# Altium PCB RS2-708_V010.PcbDoc (part 1 of 4) (continued)
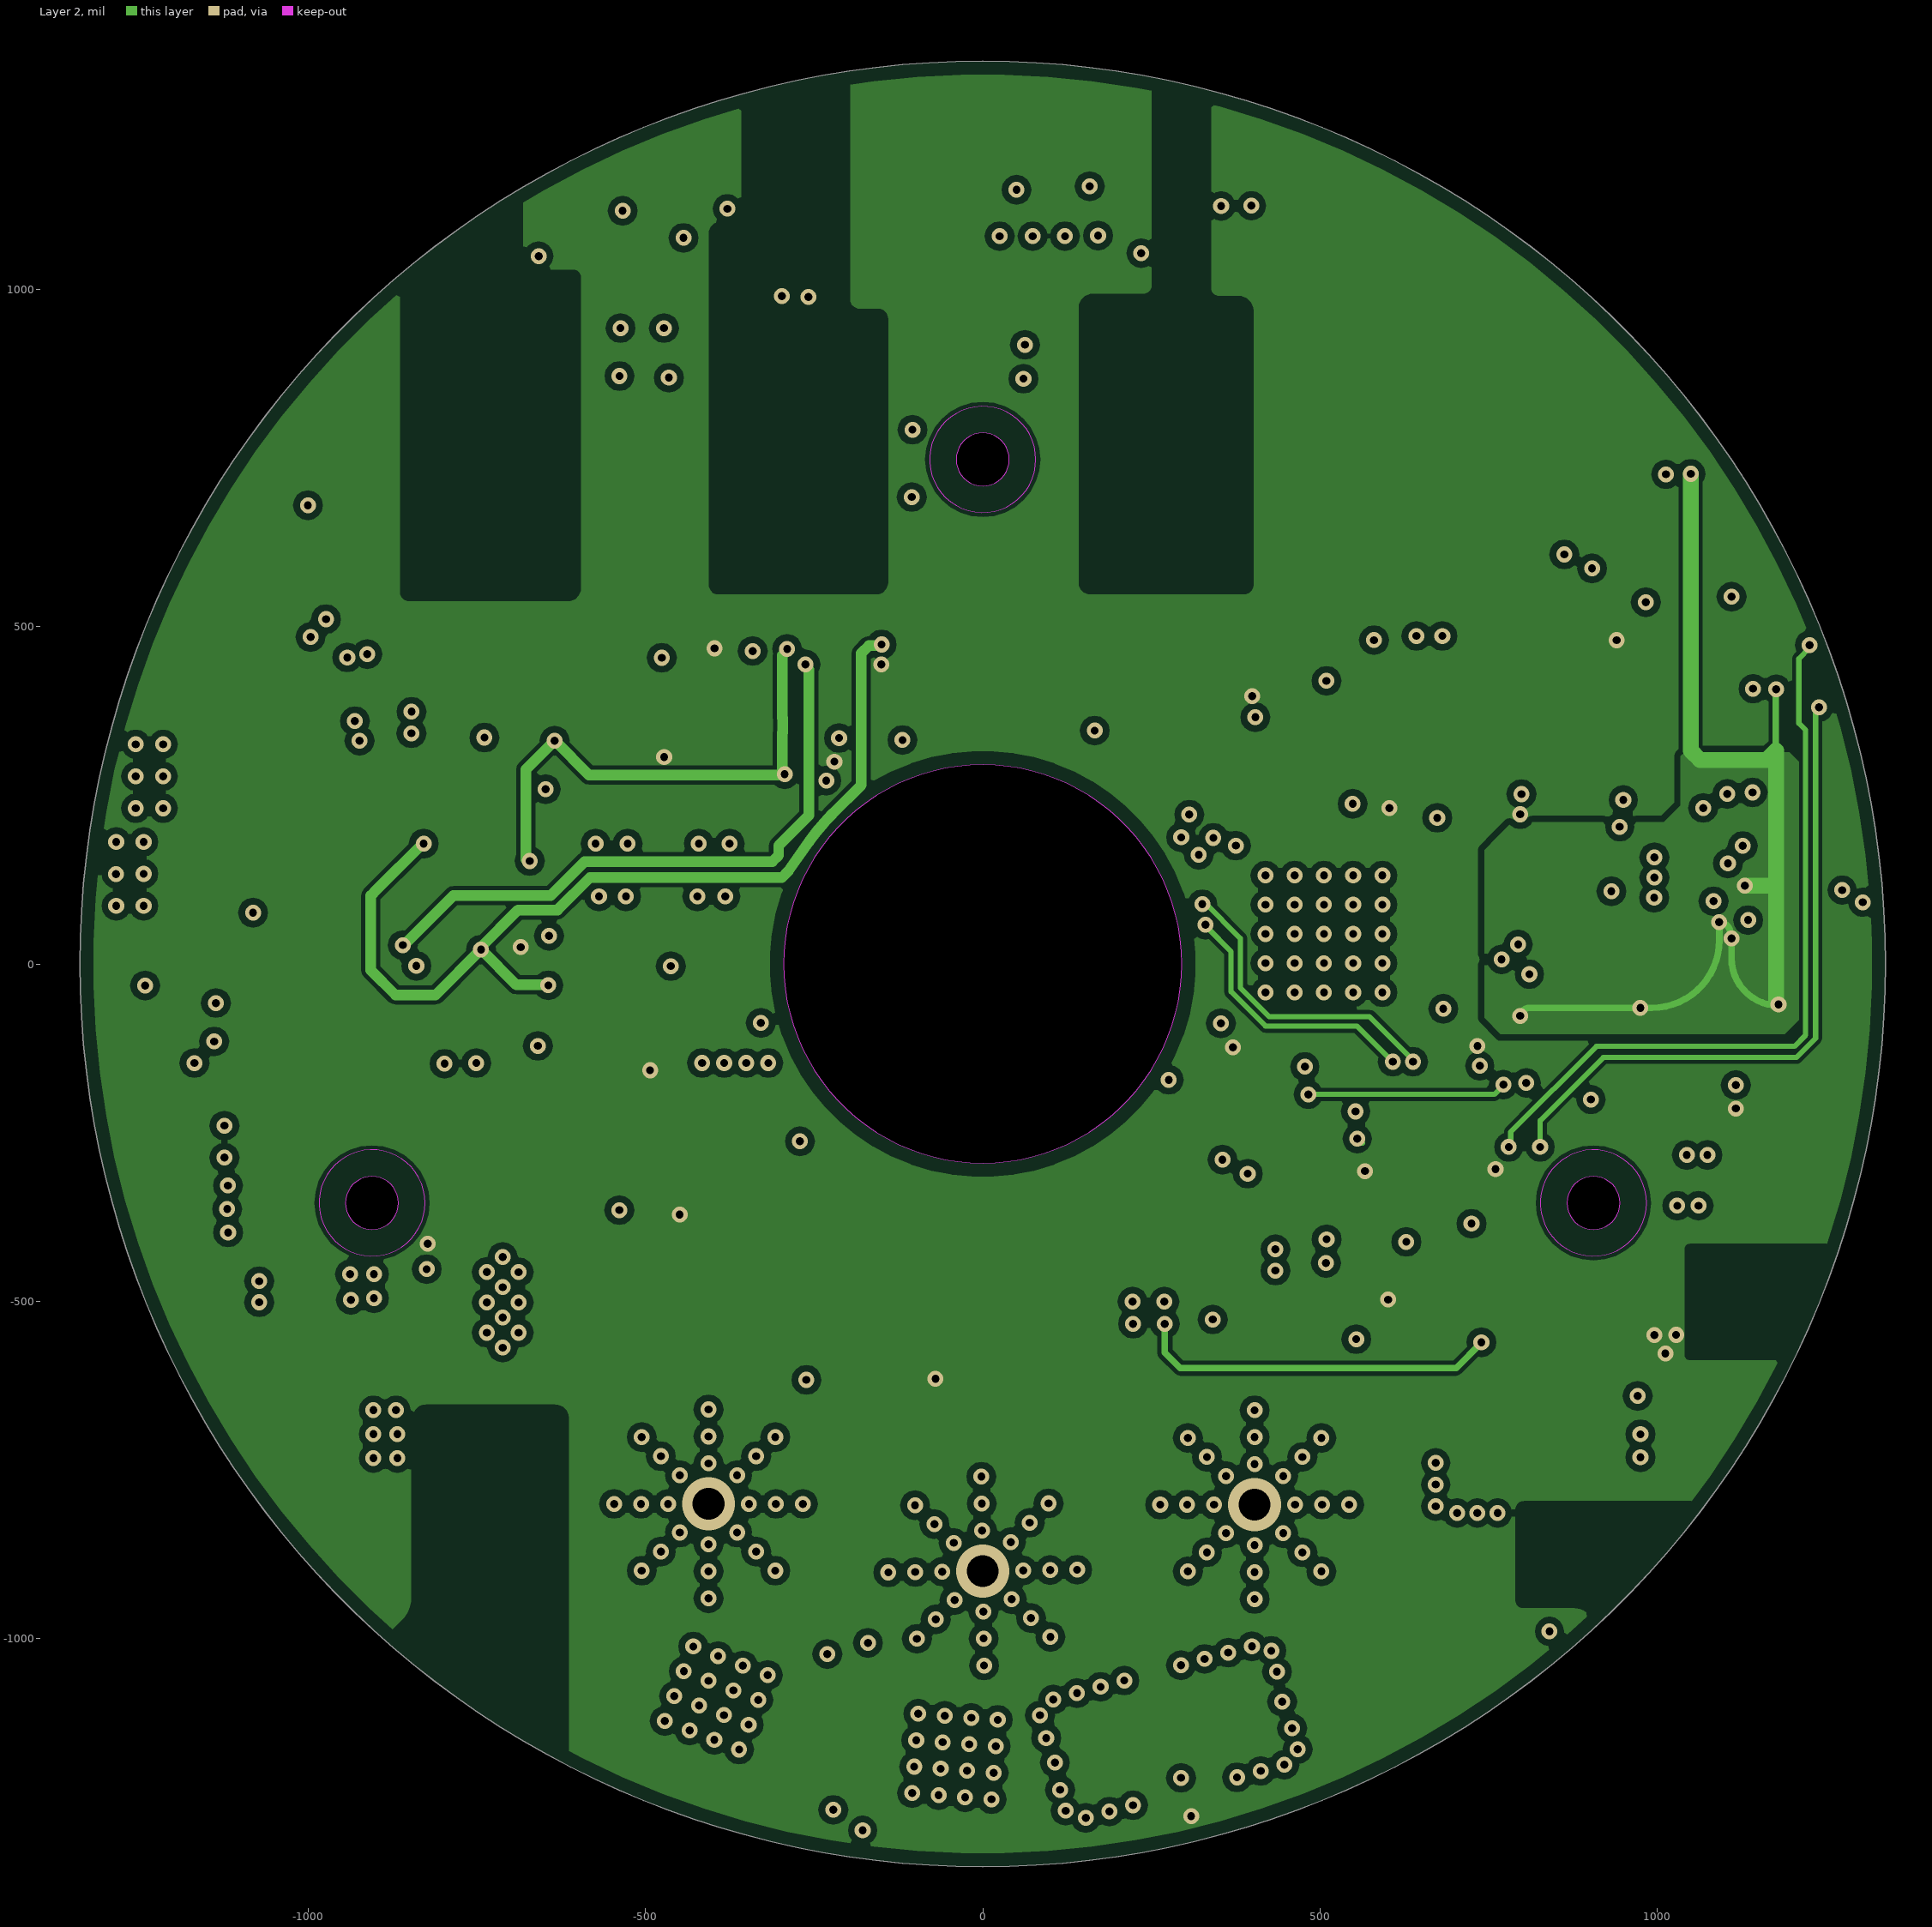
[diagram p3: Layer 2]
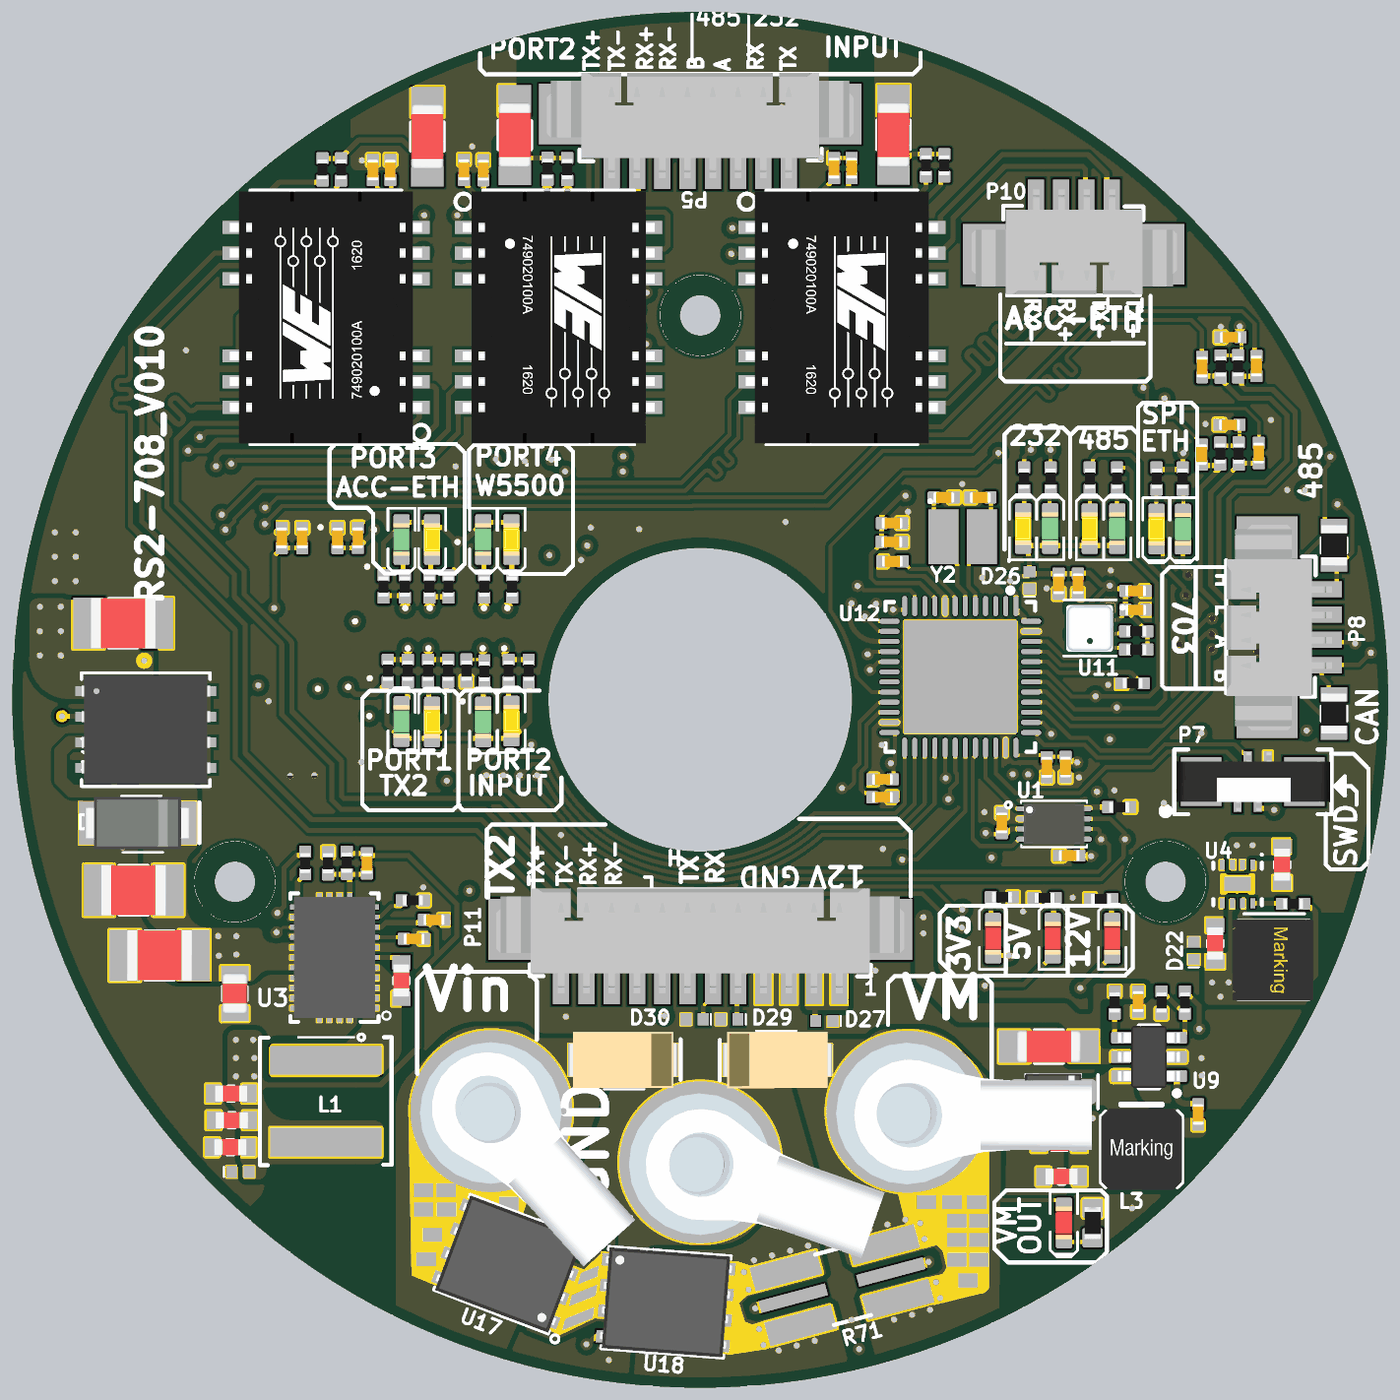
[diagram p7: 3D render of the assembled board from above, using the file's embedded part models]
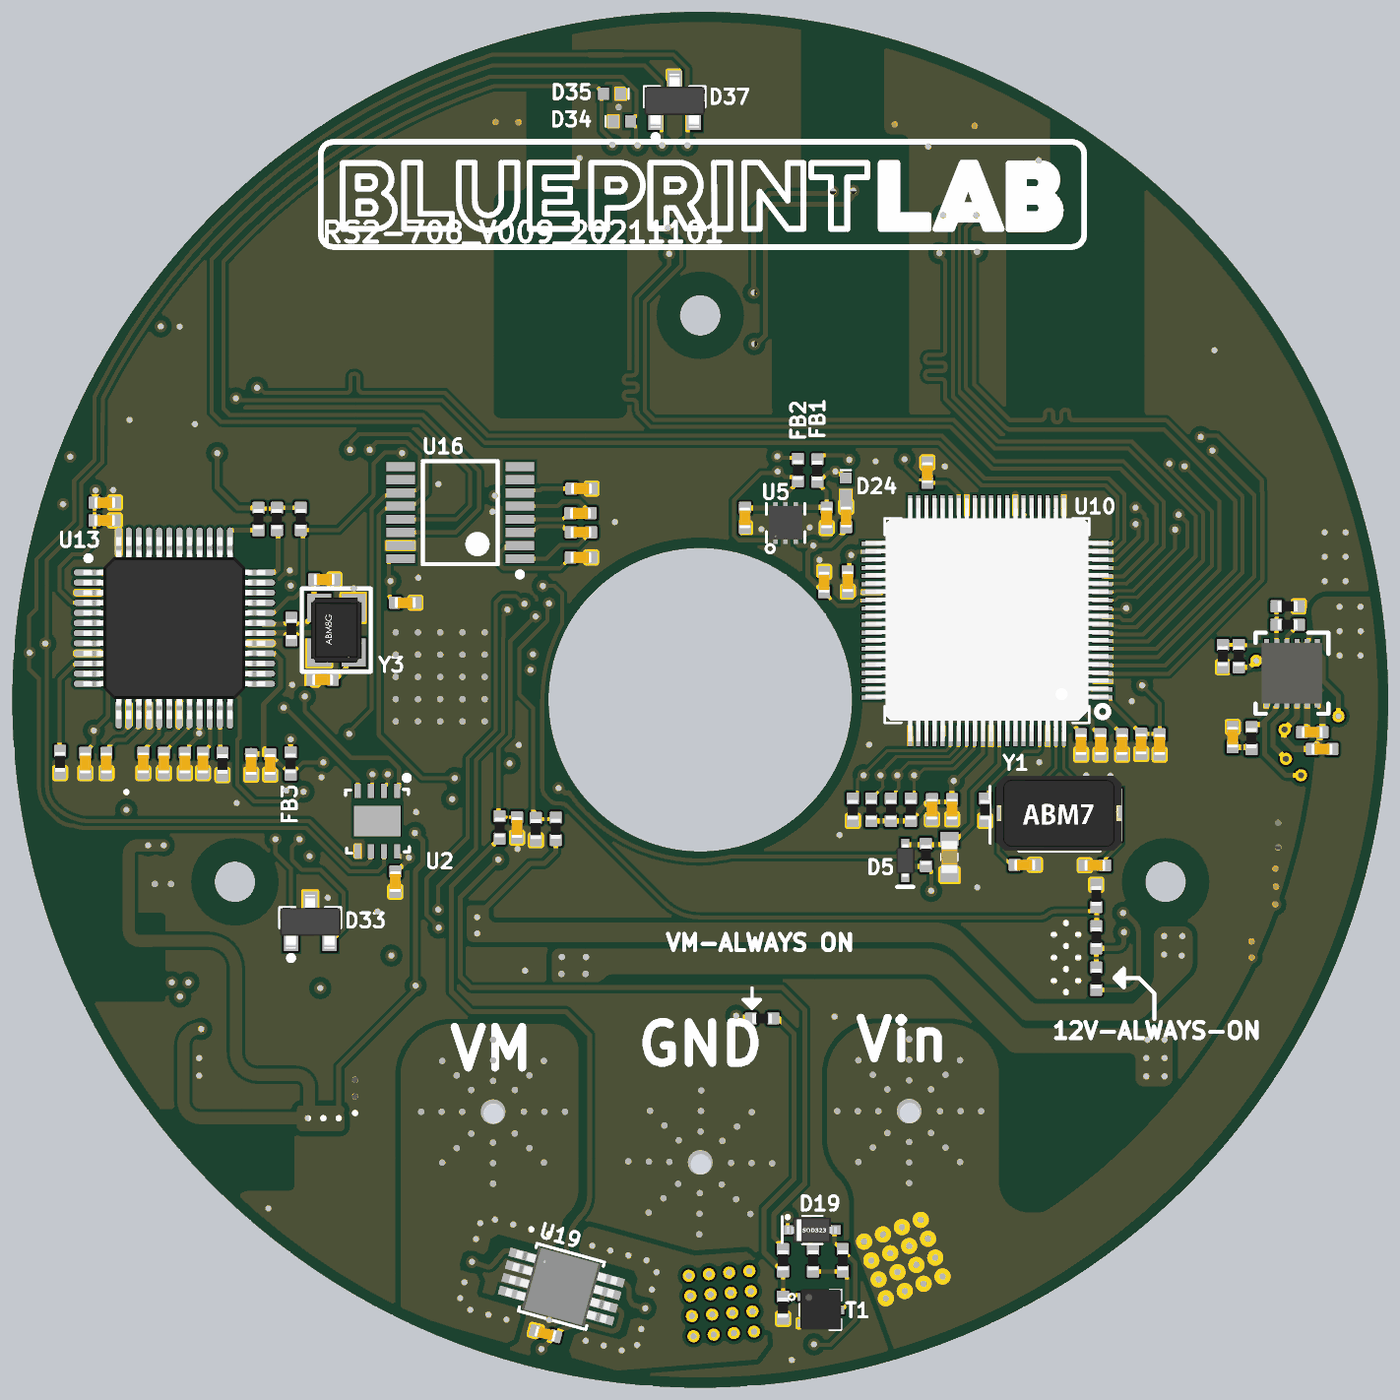
[diagram p8: 3D render of the assembled board from below, using the file's embedded part models]

## Layer stack, top to bottom
Top Solder: solder mask 0.4, Solder Resist, Dk 3.5
Top Layer: signal copper 1.4
Dielectric 2: prepreg 2.8, PP-006, Dk 4.1
Layer 1: signal copper 1.3778
Dielectric 1: dielectric 19.685, FR-4, Dk 4.8
Layer 2: signal copper 1.3778
Dielectric 3: prepreg 2.8, PP-006, Dk 4.1
Bottom Layer: signal copper 1.4
Bottom Solder: solder mask 0.4, Solder Resist, Dk 3.5

## Board outline
-1338.58,0 ccw(c0,0) 0,-1338.58 ccw(c0,0) 1338.58,0 ccw(c0,0) 0,1338.58 ccw(c0,0)
cut-out: -295.28,0 ccw(c0,0) 0,-295.28 ccw(c0,0) 295.28,0 ccw(c0,0) 0,295.28 ccw(c0,0)
cut-out: 866.14,-354.33 ccw(c905.51,-354.33) 905.51,-393.7 ccw(c905.51,-354.33) 944.88,-354.33 ccw(c905.51,-354.33) 905.51,-314.96 ccw(c905.51,-354.33)
cut-out: -944.88,-354.33 ccw(c-905.51,-354.33) -905.51,-393.7 ccw(c-905.51,-354.33) -866.14,-354.33 ccw(c-905.51,-354.33) -905.51,-314.96 ccw(c-905.51,-354.33)
cut-out: -39.37,748.03 ccw(c0,748.03) 0,708.66 ccw(c0,748.03) 39.37,748.03 ccw(c0,748.03) 0,787.4 ccw(c0,748.03)

## Design rules (kind name [scope] priority, off if disabled: settings)
BoardOutlineClearance [All] p1: gap=11.81 ignorepadtopadclearanceinfootprint=FALSE except(0: Region-OutlineEdge Region-CavityEdge Region-CutoutEdge Region-SplitBarrior Region-SplitContinuation Text-OutlineEdge Text-CavityEdge Text-CutoutEdge Text-SplitBarrior Text-SplitContinuation; 19.68: Poly-OutlineEdge Poly-CavityEdge Poly-CutoutEdge Poly-SplitBarrior Poly-SplitContinuation)
Clearance [All] p1: gap=5.91 ignorepadtopadclearanceinfootprint=FALSE except(3.94: SMDPad-SMDPad; 9.84: THPad-Fill THPad-Poly THPad-Region Via-Fill Via-Poly Via-Region Fill-Fill Fill-Poly Fill-Region Poly-Poly Poly-Region Region-Region)
ComponentClearance [HasFootprint('Power_M3_Eyelet_Up')] p1: gap=0 collisioncheckmode=3 verticalgap=0 showdistances=FALSE
ComponentClearance ComponentClearance_1 [All] p2: gap=10 collisioncheckmode=3 verticalgap=10 showdistances=FALSE
DiffPairsRouting "Schematic Differential Pairs Routing_5" [InNet('B_TX+')] p1: maxlimit=9.84 minlimit=5.91 mostfreqgap=7.87 toplayer_minwidth=5.91 toplayer_maxwidth=7.87 toplayer_prefwidth=7.87 midlayer1_mingap=7.87 midlayer1_minwidth=9.84 midlayer1_maxwidth=9.84 midlayer1_prefwidth=9.84 midlayer2_mingap=7.87 midlayer2_minwidth=9.84 midlayer2_maxwidth=9.84 midlayer2_prefwidth=9.84 bottomlayer_minwidth=5.91 bottomlayer_maxwidth=7.87 bottomlayer_prefwidth=7.87 maxuncoupledlength=393.7
DiffPairsRouting "Schematic Differential Pairs Routing_3" [InNet('B_RX+')] p2: maxlimit=9.84 minlimit=5.91 mostfreqgap=7.87 toplayer_minwidth=5.91 toplayer_maxwidth=7.87 toplayer_prefwidth=7.87 midlayer1_mingap=7.87 midlayer1_minwidth=9.84 midlayer1_maxwidth=9.84 midlayer1_prefwidth=9.84 midlayer2_mingap=7.87 midlayer2_minwidth=9.84 midlayer2_maxwidth=9.84 midlayer2_prefwidth=9.84 bottomlayer_minwidth=5.91 bottomlayer_maxwidth=7.87 bottomlayer_prefwidth=7.87 maxuncoupledlength=393.7
DiffPairsRouting "Schematic Differential Pairs Routing_2" [InDifferentialPairClass('DIFF_D')] p3: maxlimit=9.84 minlimit=5.91 mostfreqgap=7.87 toplayer_minwidth=5.91 toplayer_maxwidth=7.87 toplayer_prefwidth=7.87 midlayer1_mingap=7.87 midlayer1_minwidth=9.84 midlayer1_maxwidth=9.84 midlayer1_prefwidth=9.84 midlayer2_mingap=7.87 midlayer2_minwidth=9.84 midlayer2_maxwidth=9.84 midlayer2_prefwidth=9.84 bottomlayer_minwidth=5.91 bottomlayer_maxwidth=7.87 bottomlayer_prefwidth=7.87 maxuncoupledlength=393.7
DiffPairsRouting "Schematic Differential Pairs Routing_28" [InDifferentialPairClass('DIFF_B')] p4: maxlimit=9.84 minlimit=5.91 mostfreqgap=7.87 toplayer_minwidth=5.91 toplayer_maxwidth=7.87 toplayer_prefwidth=7.87 midlayer1_mingap=7.87 midlayer1_minwidth=9.84 midlayer1_maxwidth=9.84 midlayer1_prefwidth=9.84 midlayer2_mingap=7.87 midlayer2_minwidth=9.84 midlayer2_maxwidth=9.84 midlayer2_prefwidth=9.84 bottomlayer_minwidth=5.91 bottomlayer_maxwidth=7.87 bottomlayer_prefwidth=7.87 maxuncoupledlength=393.7
DiffPairsRouting "Schematic Differential Pairs Routing_22" [InDifferentialPairClass('DIFF_C')] p5: maxlimit=9.84 minlimit=5.91 mostfreqgap=7.87 toplayer_minwidth=5.91 toplayer_maxwidth=7.87 toplayer_prefwidth=7.87 midlayer1_minwidth=0.15 midlayer1_maxwidth=9.84 midlayer1_prefwidth=9.84 midlayer2_minwidth=0.15 midlayer2_maxwidth=9.84 midlayer2_prefwidth=9.84 bottomlayer_minwidth=5.91 bottomlayer_maxwidth=7.87 bottomlayer_prefwidth=7.87 maxuncoupledlength=393.7
DiffPairsRouting "Schematic Differential Pairs Routing_13" [InDifferentialPairClass('DIFF_A')] p6: maxlimit=9.84 minlimit=5.91 mostfreqgap=7.87 toplayer_minwidth=5.91 toplayer_maxwidth=7.87 toplayer_prefwidth=7.87 midlayer1_mingap=7.87 midlayer1_minwidth=9.84 midlayer1_maxwidth=9.84 midlayer1_prefwidth=9.84 midlayer2_mingap=7.87 midlayer2_minwidth=9.84 midlayer2_maxwidth=9.84 midlayer2_prefwidth=9.84 bottomlayer_minwidth=5.91 bottomlayer_maxwidth=7.87 bottomlayer_prefwidth=7.87 maxuncoupledlength=393.7
DiffPairsRouting "Schematic Differential Pairs Routing_40" [InNet('STM_RX_N')] p7 off: maxlimit=9.84 minlimit=5.91 mostfreqgap=7.87 toplayer_minwidth=5.91 toplayer_maxwidth=7.87 toplayer_prefwidth=7.87 midlayer1_mingap=7.87 midlayer1_minwidth=9.84 midlayer1_maxwidth=9.84 midlayer1_prefwidth=9.84 midlayer2_mingap=7.87 midlayer2_minwidth=9.84 midlayer2_maxwidth=9.84 midlayer2_prefwidth=9.84 bottomlayer_minwidth=5.91 bottomlayer_maxwidth=7.87 bottomlayer_prefwidth=7.87 maxuncoupledlength=393.7
DiffPairsRouting "Schematic Differential Pairs Routing_8" [InNet('B_RX-')] p8 off: maxlimit=9.84 minlimit=5.91 mostfreqgap=7.87 toplayer_minwidth=5.91 toplayer_maxwidth=7.87 toplayer_prefwidth=7.87 midlayer1_mingap=7.87 midlayer1_minwidth=9.84 midlayer1_maxwidth=9.84 midlayer1_prefwidth=9.84 midlayer2_mingap=7.87 midlayer2_minwidth=9.84 midlayer2_maxwidth=9.84 midlayer2_prefwidth=9.84 bottomlayer_minwidth=5.91 bottomlayer_maxwidth=7.87 bottomlayer_prefwidth=7.87 maxuncoupledlength=393.7
DiffPairsRouting [All] p9: maxlimit=9.84 minlimit=5.91 mostfreqgap=7.87 toplayer_minwidth=5.91 toplayer_maxwidth=7.87 toplayer_prefwidth=7.87 midlayer1_minwidth=5.91 midlayer1_maxwidth=7.87 midlayer1_prefwidth=7.87 midlayer2_minwidth=5.91 midlayer2_maxwidth=7.87 midlayer2_prefwidth=7.87 bottomlayer_minwidth=5.91 bottomlayer_maxwidth=7.87 bottomlayer_prefwidth=7.87 maxuncoupledlength=500
HoleSize [All] p1: absolutevalues=TRUE maxlimit=100 minlimit=11.81 maxpercent=80.000 minpercent=20.000
MinimumAnnularRing [All] p1: minimumring=5.91
PlaneClearance [All] p1: clearance=0
PlaneConnect [All] p1: planeconnectstyle=Direct reliefexpansion=20 reliefentries=4 reliefconductorwidth=10 reliefairgap=10
PolygonConnect [All] p1: connectstyle=Direct reliefconductorwidth=10 reliefentries=4 polygonreliefangle="90 Angle" airgapwidth=10
RoomDefinition U_PowerControl [InComponentClass('U_PowerControl')] p1 off: confinementstyle=ConfineIn formatcopy=TRUE lockcomponents=FALSE outline 2824,-743 3056,-743 3056,-411 2824,-411
RoomDefinition RS2-708_V008 [InComponentClass('RS2-708_V008')] p2 off: confinementstyle=ConfineIn formatcopy=TRUE lockcomponents=FALSE outline 2832,1058 4832,1058 4832,2058 2832,2058
RoomDefinition U_CurrentSense [InComponentClass('U_CurrentSense')] p3 off: confinementstyle=ConfineIn formatcopy=TRUE lockcomponents=FALSE outline 1977,-688.63 2709,-688.63 2709,-416.63 1977,-416.63
RoomDefinition U_W5500_ETH-SPI [InComponentClass('U_W5500_ETH-SPI')] p4 off: confinementstyle=ConfineIn formatcopy=TRUE lockcomponents=FALSE outline 1403,3512 8250,3512 8250,4106 1403,4106
RoomDefinition U_VoltageRegulators [InComponentClass('U_VoltageRegulators')] p5 off: confinementstyle=ConfineIn formatcopy=TRUE lockcomponents=FALSE outline 1403,2869 5416,2869 5416,3463 1403,3463
RoomDefinition U_STM32 [InComponentClass('U_STM32')] p6 off: confinementstyle=ConfineIn formatcopy=TRUE lockcomponents=FALSE outline 1403,2226 3905,2226 3905,2820 1403,2820
RoomDefinition U_Serial [InComponentClass('U_Serial')] p7 off: confinementstyle=ConfineIn formatcopy=TRUE lockcomponents=FALSE outline 1403,1583 2724,1583 2724,2177 1403,2177
RoomDefinition U_Sensors [InComponentClass('U_Sensors')] p8 off: confinementstyle=ConfineIn formatcopy=TRUE lockcomponents=FALSE outline 1403,940 2085,940 2085,1534 1403,1534
RoomDefinition U_KSZ8795CLX [InComponentClass('U_KSZ8795CLX')] p9 off: confinementstyle=ConfineIn formatcopy=TRUE lockcomponents=FALSE outline 1749.9,294.54 8906.9,294.54 8906.9,892.54 1749.9,892.54
RoomDefinition U_EthTransformers [InComponentClass('U_EthTransformers')] p10 off: confinementstyle=ConfineIn formatcopy=TRUE lockcomponents=FALSE outline 1399.13,-346.4 6352.13,-346.4 6352.13,247.6 1399.13,247.6
RoutingVias [All] p1: holewidth=11.81 width=23.62 viastyle="Through Hole" minholewidth=11.81 minwidth=23.62 maxholewidth=39.37 maxwidth=39.37
SolderMaskExpansion [All] p1: expansion=4 istentingtop=FALSE
Width [All] p1: maxlimit=39.37 minlimit=5.91 preferedwidth=9.84 minimp=50.000000 maximp=50.000000 favimp=50.000000
25 further rules are at their usual default settings.

## Classes and differential pairs
component class U_PowerControl: C86 C87 C89 C90 C91 D19 D31 R47 R48 R49 R50 R51 R65 R71 R72 R73 R74 R75 T1 U14 U15 U17 U18
component class U_CurrentSense: C83 C84 R76 U19
differential pair class DIFF_D: D_RD D_TD
differential pair class DIFF_C: C_RD C_TD
differential pair class DIFF_B: B_RD B_TD
component class U_W5500_ETH-SPI: C59 C60 C61 C62 C64 C67 C68 C69 C70 C71 C72 C73 C74 C75 D14 D15 FB3 R52 R53 R54 R55 R56 R57 R58 R60 R61 R62 R63 R66 U13 Y3
component class U_STM32: C48 C49 C50 C51 C52 C53 C54 C55 C56 C57 C58 D26 R43 R44 R45 U12 Y2
component class U_Serial: C1 C2 C3 C78 C79 C80 C81 C82 D1 D2 D17 D18 R1 R2 R3 R69 R70 U1 U2 U16
component class U_Sensors: C46 C47 R41 R42 U11
component class U_KSZ8795CLX: C29 C30 C31 C32 C33 C34 C35 C36 C37 C38 C39 C40 C41 C42 C43 C44 C45 D5 D6 D7 D8 D9 D10 D11 D12 D13 FB1 FB2 R19 R20 R21 R22 R23 R24 R25 R26 R27 R28 R29 R30 R31 R32 R33 R34 R35 R36 R37 R38 U10 Y1
component class RS2-708_V008: D20 D21 D27 D29 D30 D33 D34 D35 D37 P1 P5 P6 P7 P8 P9 P10 P11 R39 R40 W1 W2 W3
differential pair class DIFF_A: A_RD A_TD
component class U_EthTransformers: C17 C18 C19 C20 C21 C22 C23 C24 C25 C26 C27 C28 C63 R11 R12 R13 R14 R15 R16 U6 U7 U8
component class U_VoltageRegulators: C4 C5 C6 C7 C8 C9 C10 C11 C12 C13 C14 C15 C16 C65 C66 C76 C77 C85 C88 D3 D4 D16 D22 D23 D24 D25 D36 L1 L2 L3 R4 R5 R6 R7 R8 R9 R10 R17 R18 R46 R67 R68 R77 R78 R79 U3 U4 U5 U9
differential pair D_TD: +D_TD_P -D_TD_N
differential pair D_RD: +D_RD_P -D_RD_N
differential pair C_TD: +C_TD_P -C_TD_N
differential pair C_RD: +C_RD_P -C_RD_N
differential pair B_TD: +B_TD_P -B_TD_N
differential pair B_RD: +B_RD_P -B_RD_N
differential pair A_TD: +A_TD_P -A_TD_N
differential pair A_RD: +A_RD_P -A_RD_N

## Components (designator, comment, footprint, x,y, rotation, side; value= is the part's Value field where it differs from the comment)
C1 "Capacitor" CAP0402 718,-303.22 r180 top
C2 "Capacitor" CAP0402 586.9,-239.67 r90 top
C3 "Capacitor" CAP0402 593.46,-353.89 r270 bottom
C4 "Capacitor" CAP0402 -556.91,-465.16 r0 top
C5 "Capacitor" CAP0603 -912.8,-766.46 r180 top
C6 "Capacitor" CAP0603 -911.51,-818.27 r180 top value=10uF
C7 "Capacitor" CAP1210 -1052.24,-497.58 r0 top
C8 "Capacitor" CAP0805 -905.82,-571.59 r270 top
C9 "Capacitor" CAP0603 -581.8,-546.39 r90 top
C10 "Capacitor" CAP0603 1132.34,-320.89 r270 top value=10uF
C11 "Capacitor" CAP0603 1002.04,-474.31 r90 top value=22uF
C12 "Capacitor" CAP0402 -648.72,-318.47 r270 top
C13 "Capacitor" CAP0402 -518.09,-428.12 r180 top
C14 "Capacitor" CAP0402 -246,354 r270 bottom
C15 "Capacitor" CAP0402 -284,355.68 r90 bottom
C16 "Capacitor" CAP0402 -87,354 r270 bottom
C17 "Capacitor" CAP0402 260.48,1034.62 r90 top
C18 "Capacitor" CAP0402 -637,1031 r90 top
C19 "Capacitor" CAP0402 294.48,1034.62 r90 top
C20 "Capacitor" CAP0402 -603,1031 r90 top
C21 "Capacitor" CAP1206 376,1099.32 r90 top
C22 "Capacitor" CAP1206 -531,1096 r90 top
C23 "Capacitor" CAP0402 -459.87,1031.38 r90 top
C24 "Capacitor" CAP0402 975.86,477.15 r90 top
C25 "Capacitor" CAP0402 -421.96,1030.61 r90 top
C26 "Capacitor" CAP0402 1086.86,480.15 r90 top
C27 "Capacitor" CAP1206 -361,1099 r90 top
C28 "Capacitor" CAP0402 1082.3,649.51 r90 top
C29 "Capacitor" CAP0402 -631.55,-321.34 r180 bottom
C30 "Capacitor" CAP0402 -767.99,-322.25 r0 bottom
C31 "Capacitor" CAP0603 -485,-306 r270 bottom value=10uF
C32 "Capacitor" CAP0402 -705.77,314.88 r90 top
C33 "Capacitor" CAP0402 -666.26,315.24 r90 top
C34 "Capacitor" CAP0402 -287,230 r270 bottom
C35 "Capacitor" CAP0402 -779,-87 r270 bottom
C36 "Capacitor" CAP0402 -894,-87 r270 bottom
C37 "Capacitor" CAP0402 -858,-86 r270 bottom
C38 "Capacitor" CAP0402 -774.45,314.94 r90 top
C39 "Capacitor" CAP0402 -741,-87 r270 bottom
C40 "Capacitor" CAP0402 -814.41,314.94 r90 top
C41 "Capacitor" CAP0402 -821,-87 r270 bottom
C42 "Capacitor" CAP0402 -451,-213 r270 bottom
C43 "Capacitor" CAP0402 -490,-213 r270 bottom
C44 "Capacitor" CAP0402 -241,229 r90 bottom
C45 "Capacitor" CAP0402 -442,442 r90 bottom
C46 "Capacitor" CAP0402 847.24,211.9 r0 top
C47 "Capacitor" CAP0402 847.44,174.99 r0 top
C48 "Capacitor" CAP0402 735.03,225.85 r270 top
C49 "Capacitor" CAP0402 373.32,343.73 r0 top
C50 "Capacitor" CAP0402 354.58,-154.78 r180 top
C51 "Capacitor" CAP0402 710.95,-130.86 r270 top
C52 "Capacitor" CAP0402 697.63,225.67 r270 top
C53 "Capacitor" CAP0402 674.43,-131.3 r270 top
C54 "Capacitor" CAP0402 372.9,307.39 r180 top
C55 "Capacitor" CAP0402 354.59,-189.49 r0 top
C56 "Capacitor" CAP0402 545.08,393.49 r0 top
C57 "Capacitor" CAP0402 373.95,269.31 r180 top
C58 "Capacitor" CAP0402 474.04,393.74 r180 top
C59 "Capacitor" CAP0402 1031.79,705.48 r180 top
C60 "Capacitor" CAP0402 734.69,39 r180 bottom
C61 "Capacitor" CAP0402 731.69,234 r0 bottom
C62 "Capacitor" CAP0402 1043.69,-123.03 r270 bottom
C63 "Capacitor" CAP0402 976.69,647.43 r90 top
C64 "Capacitor" CAP0402 1029.86,535.15 r180 top
C65 "Capacitor" CAP1206 678.26,-674.95 r180 top
C66 "Capacitor" CAP0402 968.98,-806.92 r270 top
C67 "Capacitor" CAP0402 1158.56,383.78 r180 bottom
C68 "Capacitor" CAP0402 1159.12,349.06 r180 bottom
C69 "Capacitor" CAP0402 1083.86,-122.91 r270 bottom
C70 "Capacitor" CAP0402 1002.69,-123.03 r270 bottom
C71 "Capacitor" CAP0402 1155.69,-123.03 r270 bottom
C72 "Capacitor" CAP0402 1196.69,-123.03 r270 bottom
C73 "Capacitor" CAP0402 873.83,-125.94 r270 bottom
C74 "Capacitor" CAP0402 836.83,-125.94 r270 bottom
C75 "Capacitor" CAP0402 967.69,-123.03 r270 bottom
C76 "Capacitor" CAP0402 852,-587.25 r270 top
C77 "Capacitor" CAP0805 698.54,-853.62 r180 top
C78 "Capacitor" CAP0402 574,189 r180 bottom
C79 "Capacitor" CAP0402 233,363 r180 bottom
C80 "Capacitor" CAP0402 232,326 r0 bottom
C81 "Capacitor" CAP0402 232,277 r180 bottom
C82 "Capacitor" CAP0402 231,411 r180 bottom
C83 "Capacitor" CAP0402 356.47,-248.53 r270 bottom
C84 "Capacitor" CAP0402 301.17,-1233.27 r14.62 bottom
C85 "Capacitor" CAP0603 703.12,-927.78 r180 top
C86 "Capacitor" CAP1210 -1123,149 r0 top value=4.7uF
C87 "Capacitor" CAP1210 -1102.77,-370.58 r180 top value=4.7uF
C88 "Capacitor" CAP0603 -914.48,-870.68 r180 top value=10uF
C89 "Capacitor" CAP0402 -1210,-96 r180 bottom
C90 "Capacitor" CAP0402 -1191,-63 r180 bottom
C91 "Capacitor" CAP0402 -1036,-72.65 r90 bottom
D1 "LED" LED-0603-YELLOW 758.12,332.91 r90 top
D2 "LED" LED-0603-GREEN 811.59,332.91 r90 top
D3 "LED" LED-0603-RED 801.77,-463.98 r90 top
D4 "LED" LED-0603-RED 569.92,-463.98 r90 top
D5 "Diode" SOD523 -399,-313 r90 bottom
D6 "LED" LED-0603-GREEN -581.13,-42.47 r90 top
D7 "LED" LED-0603-YELLOW -521.72,-43.36 r90 top
D8 "LED" LED-0603-GREEN -422.2,-43.11 r90 top
D9 "LED" LED-0603-YELLOW -367.4,-41.4 r90 top
D10 "LED" LED-0603-GREEN -581.13,311.78 r270 top
D11 "LED" LED-0603-YELLOW -521.72,311.78 r270 top
D12 "LED" LED-0603-GREEN -422.2,311.78 r270 top
D13 "LED" LED-0603-YELLOW -367.4,311.78 r270 top
D14 "LED" LED-0603-GREEN 939.31,332.11 r270 top
D15 "LED" LED-0603-YELLOW 888.01,332.11 r270 top
D16 "LED" LED-0603-RED 685.84,-463.98 r90 top